# Altium PCB PCB2.PcbDoc (part 3 of 16)
Units mil, origin at the board's own origin, x right, y up, seen from the top; angles counter-clockwise.
Board outline 9200.79 x 4350.6 mil, 4 copper layers (Top Layer, Layer 1, Layer 2, Bottom Layer), stack 23.756 mil thick; 1249 components, 1355 nets, 4549 pads, 1316 vias.
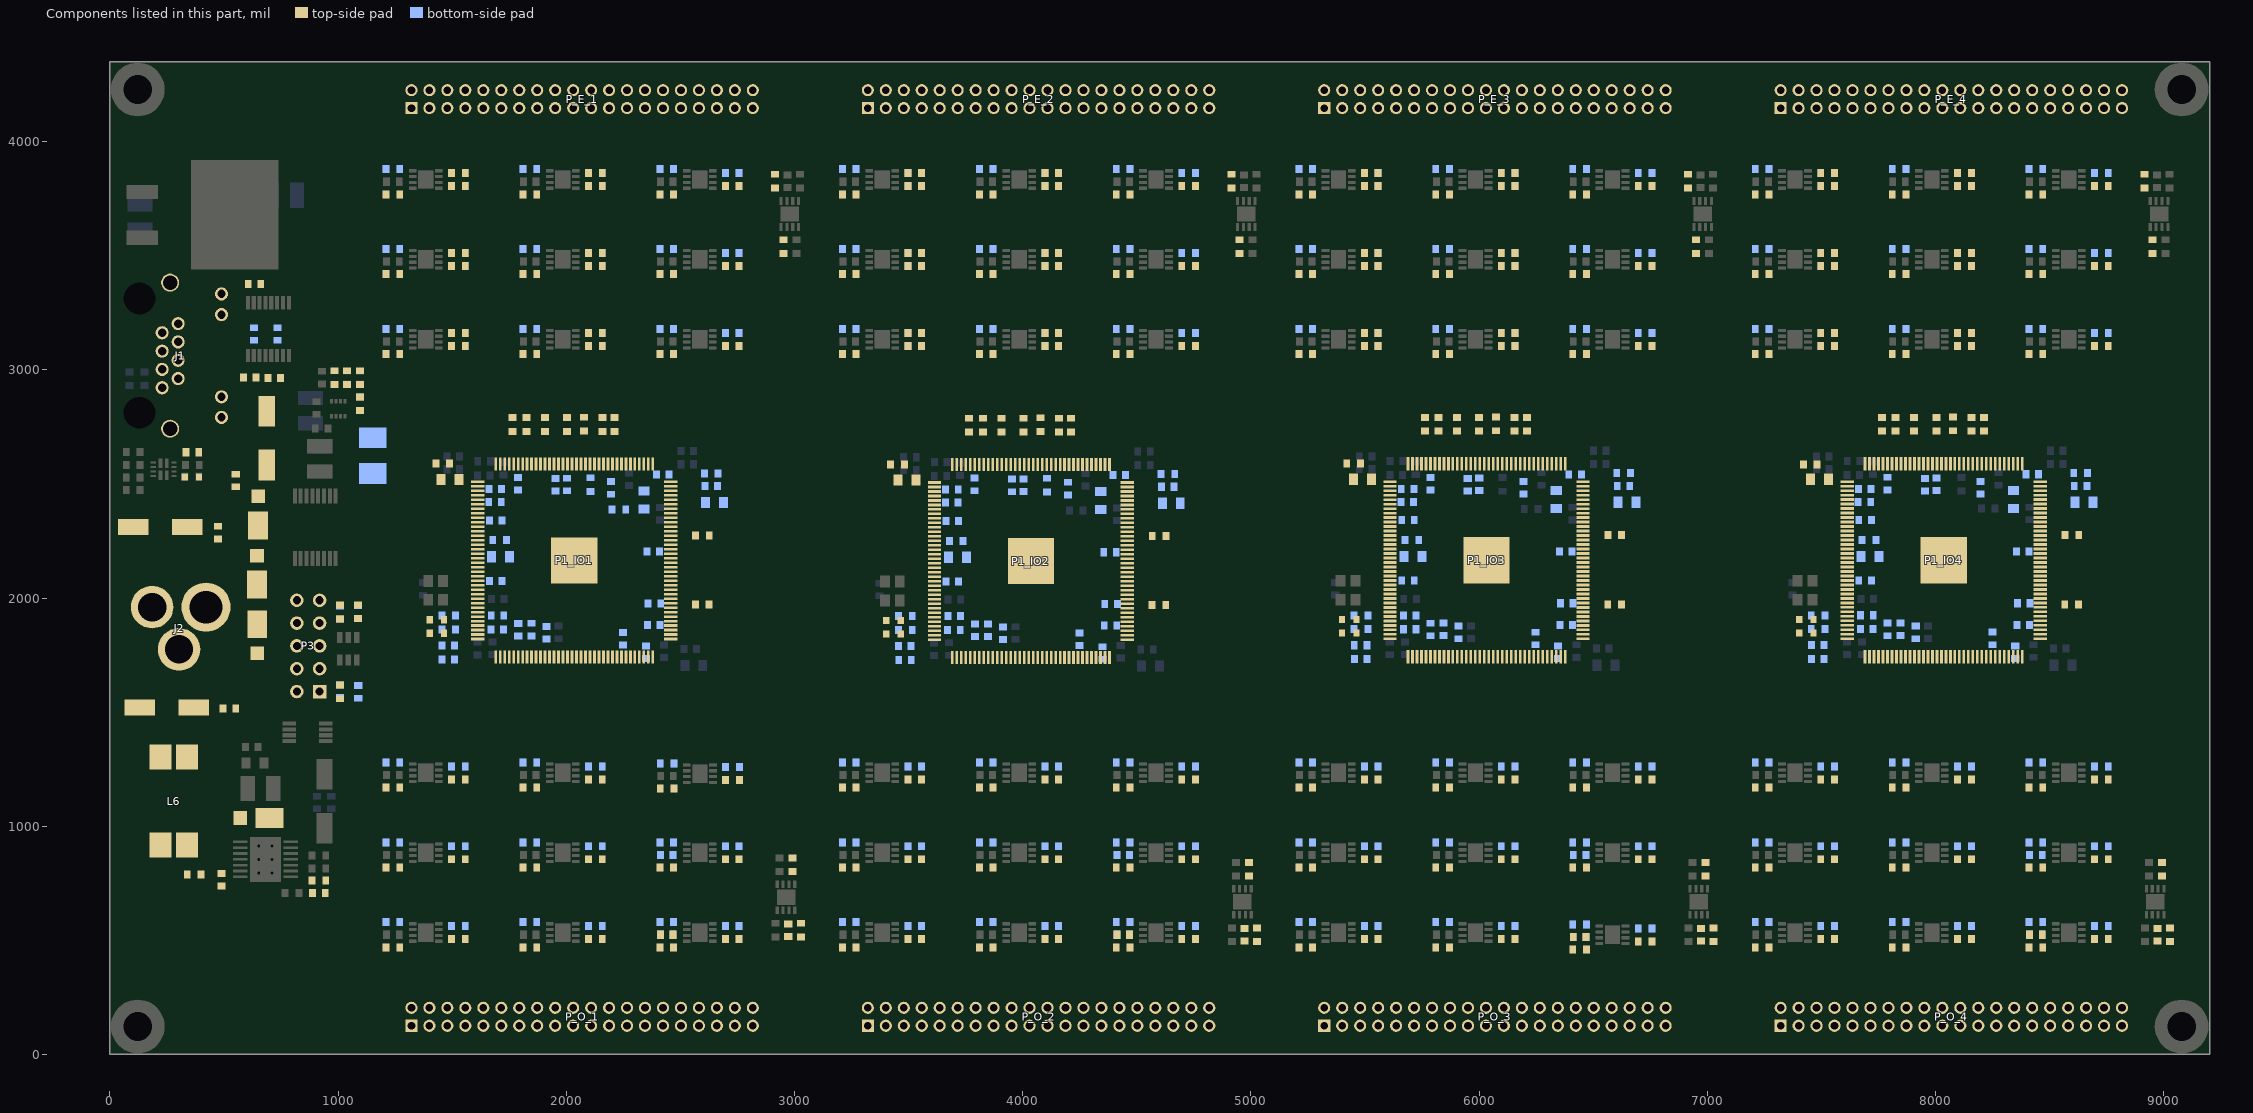
[diagram p5: the components of this part, seen from the top]

## Components (designator, comment, footprint, x,y, rotation, side; value= is the part's Value field where it differs from the comment) (continued)
C34_U_VoltageAmplifier351 "0.1uF/50V" 0603C 2440.09,874.18 r180 bottom (schematic designator C34)
C34_U_VoltageAmplifier352 "0.1uF/50V" 0603C 4440.09,874.18 r180 bottom (schematic designator C34)
C34_U_VoltageAmplifier353 "0.1uF/50V" 0603C 6440.09,874.18 r180 bottom (schematic designator C34)
C34_U_VoltageAmplifier354 "0.1uF/50V" 0603C 8440.09,874.18 r180 bottom (schematic designator C34)
C34_U_VoltageAmplifier361 "0.1uF/50V" 0603C 2440.09,524.18 r180 top (schematic designator C34)
C34_U_VoltageAmplifier362 "0.1uF/50V" 0603C 4440.09,524.18 r180 top (schematic designator C34)
C34_U_VoltageAmplifier363 "0.1uF/50V" 0603C 6440.09,514.18 r180 top (schematic designator C34)
C34_U_VoltageAmplifier364 "0.1uF/50V" 0603C 8440.09,524.18 r180 top (schematic designator C34)
C34_U_VoltageAmplifier371 "0.1uF/50V" 0603C 2440.09,524.18 r180 bottom (schematic designator C34)
C34_U_VoltageAmplifier372 "0.1uF/50V" 0603C 4440.09,524.18 r180 bottom (schematic designator C34)
C34_U_VoltageAmplifier373 "0.1uF/50V" 0603C 6440.09,514.18 r180 bottom (schematic designator C34)
C34_U_VoltageAmplifier374 "0.1uF/50V" 0603C 8440.09,524.18 r180 bottom (schematic designator C34)
C34_U_VoltageAmplifier381 "0.1uF/50V" 0603C 2972.67,544.42 r270 top (schematic designator C34)
C34_U_VoltageAmplifier382 "0.1uF/50V" 0603C 4972.67,524.42 r270 top (schematic designator C34)
C34_U_VoltageAmplifier383 "0.1uF/50V" 0603C 6972.67,524.42 r270 top (schematic designator C34)
C34_U_VoltageAmplifier384 "0.1uF/50V" 0603C 8972.67,524.42 r270 top (schematic designator C34)
C35 "0.047uF/50V" 0603C 915.76,706.99 r180 top
C36 "10pF/50V" 0603C 1087.06,1938.39 r270 bottom
C37 "10pF/50V" 0603C 1088.06,1588.49 r90 bottom
C38 "10pF/50V" 0603C 1008.46,1936.25 r270 bottom
C39 "10pF/50V" 0603C 1008.36,1590.93 r90 bottom
C40 "0.1uF/50V" 0603C 612.46,2966.69 r180 top
C41 "0.1uF/50V" 0603C 631.26,3157.09 r270 bottom
C42 "0.1uF/50V" 0603C 633.56,3375.49 r180 top
C43 "0.1uF/50V" 0603C 719.52,2964.89 r180 top
C44 "0.1uF/50V" 0603C 733.66,3157.09 r270 bottom
C45_POWER1 "0.1uF/16V" 0603C 2383.46,1881.29 r180 bottom (schematic designator C45)
C45_POWER2 "0.1uF/16V" 0603C 4384.56,1878.69 r180 bottom (schematic designator C45)
C45_POWER3 "0.1uF/16V" 0603C 6381.46,1882.14 r180 bottom (schematic designator C45)
C45_POWER4 "0.1uF/16V" 0603C 8384.46,1882.29 r180 bottom (schematic designator C45)
C46_POWER1 "10uF/25V" 0805C 1490.83,2519.29 r0 top (schematic designator C46)
C46_POWER2 "10uF/25V" 0805C 3491.93,2516.69 r0 top (schematic designator C46)
C46_POWER3 "10uF/25V" 0805C 5488.83,2520.14 r0 top (schematic designator C46)
C46_POWER4 "10uF/25V" 0805C 7491.83,2520.29 r0 top (schematic designator C46)
C47_POWER1 "0.47uF/16V" 0603C 2422.46,2541.29 r0 bottom (schematic designator C47)
C47_POWER2 "0.47uF/16V" 0603C 4423.56,2538.69 r0 bottom (schematic designator C47)
C47_POWER3 "0.47uF/16V" 0603C 6420.46,2542.14 r0 bottom (schematic designator C47)
C47_POWER4 "0.47uF/16V" 0603C 8423.46,2542.29 r0 bottom (schematic designator C47)
C48_POWER1 "0.1uF/16V" 0603C 1482.46,1792.29 r180 bottom (schematic designator C48)
C48_POWER2 "0.1uF/16V" 0603C 3483.56,1789.69 r180 bottom (schematic designator C48)
C48_POWER3 "0.1uF/16V" 0603C 5480.46,1793.14 r180 bottom (schematic designator C48)
C48_POWER4 "0.1uF/16V" 0603C 7483.46,1793.29 r180 bottom (schematic designator C48)
C49_POWER1 "0.1uF/16V" 0603C 1687.46,2420.29 r0 bottom (schematic designator C49)
C49_POWER2 "0.1uF/16V" 0603C 3688.56,2417.69 r0 bottom (schematic designator C49)
C49_POWER3 "0.1uF/16V" 0603C 5685.46,2421.14 r0 bottom (schematic designator C49)
C49_POWER4 "0.1uF/16V" 0603C 7688.46,2421.29 r0 bottom (schematic designator C49)
C51_POWER1 "0.1uF/16V" 0603C 1688.46,2477.29 r0 bottom (schematic designator C51)
C51_POWER2 "0.1uF/16V" 0603C 3689.56,2474.69 r0 bottom (schematic designator C51)
C51_POWER3 "0.1uF/16V" 0603C 5686.46,2478.14 r0 bottom (schematic designator C51)
C51_POWER4 "0.1uF/16V" 0603C 7689.46,2478.29 r0 bottom (schematic designator C51)
C52_POWER1 "0.1uF/16V" 0603C 1698.46,1923.29 r0 bottom (schematic designator C52)
C52_POWER2 "0.1uF/16V" 0603C 3699.56,1920.69 r0 bottom (schematic designator C52)
C52_POWER3 "0.1uF/16V" 0603C 5696.46,1924.14 r0 bottom (schematic designator C52)
C52_POWER4 "0.1uF/16V" 0603C 7699.46,1924.29 r0 bottom (schematic designator C52)
C53_POWER1 "0.01uF/16V" 0603C 1697.46,1862.29 r0 bottom (schematic designator C53)
C53_POWER2 "0.01uF/16V" 0603C 3698.56,1859.69 r0 bottom (schematic designator C53)
C53_POWER3 "0.01uF/16V" 0603C 5695.46,1863.14 r0 bottom (schematic designator C53)
C53_POWER4 "0.01uF/16V" 0603C 7698.46,1863.29 r0 bottom (schematic designator C53)
C54_POWER1 "0.47uF/16V" 0603C 2348.46,1761.73 r270 bottom (schematic designator C54)
C54_POWER2 "0.47uF/16V" 0603C 4349.56,1759.13 r270 bottom (schematic designator C54)
C54_POWER3 "0.47uF/16V" 0603C 6346.46,1762.58 r270 bottom (schematic designator C54)
C54_POWER4 "0.47uF/16V" 0603C 8349.46,1762.73 r270 bottom (schematic designator C54)
C55_POWER1 "10uF/25V" 0805C 2340.46,2430.29 r90 bottom (schematic designator C55)
C55_POWER2 "10uF/25V" 0805C 4341.56,2427.69 r90 bottom (schematic designator C55)
C55_POWER3 "10uF/25V" 0805C 6338.46,2431.14 r90 bottom (schematic designator C55)
C55_POWER4 "10uF/25V" 0805C 8341.46,2431.29 r90 bottom (schematic designator C55)
C56_POWER1 "22uF/10V" 0603C 1482.9,1731.29 r0 bottom (schematic designator C56)
C56_POWER2 "22uF/10V" 0603C 3484,1728.69 r0 bottom (schematic designator C56)
C56_POWER3 "22uF/10V" 0603C 5480.9,1732.14 r0 bottom (schematic designator C56)
C56_POWER4 "22uF/10V" 0603C 7483.9,1732.29 r0 bottom (schematic designator C56)
C57_POWER1 "0.1uF/16V" 0603C 1912.46,1848.29 r90 bottom (schematic designator C57)
C57_POWER2 "0.1uF/16V" 0603C 3913.56,1845.69 r90 bottom (schematic designator C57)
C57_POWER3 "0.1uF/16V" 0603C 5910.46,1849.14 r90 bottom (schematic designator C57)
C57_POWER4 "0.1uF/16V" 0603C 7913.46,1849.29 r90 bottom (schematic designator C57)
C58_POWER1 "0.1uF/16V" 0603C 1789.46,1861.29 r90 bottom (schematic designator C58)
C58_POWER2 "0.1uF/16V" 0603C 3790.56,1858.69 r90 bottom (schematic designator C58)
C58_POWER3 "0.1uF/16V" 0603C 5787.46,1862.14 r90 bottom (schematic designator C58)
C58_POWER4 "0.1uF/16V" 0603C 7790.46,1862.29 r90 bottom (schematic designator C58)
C59_POWER1 "0.1uF/16V" 0603C 1690.46,2075.29 r0 bottom (schematic designator C59)
C59_POWER2 "0.1uF/16V" 0603C 3691.56,2072.69 r0 bottom (schematic designator C59)
C59_POWER3 "0.1uF/16V" 0603C 5688.46,2076.14 r0 bottom (schematic designator C59)
C59_POWER4 "0.1uF/16V" 0603C 7691.46,2076.29 r0 bottom (schematic designator C59)
C60_POWER1 "0.1uF/16V" 0603C 1690.46,2340.29 r0 bottom (schematic designator C60)
C60_POWER2 "0.1uF/16V" 0603C 3691.56,2337.69 r0 bottom (schematic designator C60)
C60_POWER3 "0.1uF/16V" 0603C 5688.46,2341.14 r0 bottom (schematic designator C60)
C60_POWER4 "0.1uF/16V" 0603C 7691.46,2341.29 r0 bottom (schematic designator C60)
C61_POWER1 "0.1uF/16V" 0603C 1788.46,2500.29 r270 bottom (schematic designator C61)
C61_POWER2 "0.1uF/16V" 0603C 3789.56,2497.69 r270 bottom (schematic designator C61)
C61_POWER3 "0.1uF/16V" 0603C 5786.46,2501.14 r270 bottom (schematic designator C61)
C61_POWER4 "0.1uF/16V" 0603C 7789.46,2501.29 r270 bottom (schematic designator C61)
C62_POWER1 "0.1uF/16V" 0603C 2002.46,2497.29 r270 bottom (schematic designator C62)
C62_POWER2 "0.1uF/16V" 0603C 4003.56,2494.69 r270 bottom (schematic designator C62)
C62_POWER3 "0.1uF/16V" 0603C 6000.46,2498.14 r270 bottom (schematic designator C62)
C62_POWER4 "0.1uF/16V" 0603C 8003.46,2498.29 r270 bottom (schematic designator C62)
C63 "0.047uF/50V" 0603C 489.76,764.99 r90 top
C64_POWER1 "0.1uF/16V" 0603C 2196.46,2482.29 r270 bottom (schematic designator C64)
C64_POWER2 "0.1uF/16V" 0603C 4197.56,2479.69 r270 bottom (schematic designator C64)
C64_POWER3 "0.1uF/16V" 0603C 6194.46,2483.14 r270 bottom (schematic designator C64)
C64_POWER4 "0.1uF/16V" 0603C 8197.46,2483.29 r270 bottom (schematic designator C64)
C65_POWER1 "0.1uF/16V" 0603C 2385.96,1976.2 r180 bottom (schematic designator C65)
C65_POWER2 "0.1uF/16V" 0603C 4387.06,1973.6 r180 bottom (schematic designator C65)
C65_POWER3 "0.1uF/16V" 0603C 6383.96,1977.05 r180 bottom (schematic designator C65)
C65_POWER4 "0.1uF/16V" 0603C 8386.96,1977.2 r180 bottom (schematic designator C65)
C66_POWER1 "0.1uF/16V" 0603C 2248.46,1821.73 r90 bottom (schematic designator C66)
C66_POWER2 "0.1uF/16V" 0603C 4249.56,1819.13 r90 bottom (schematic designator C66)
C66_POWER3 "0.1uF/16V" 0603C 6246.46,1822.58 r90 bottom (schematic designator C66)
C66_POWER4 "0.1uF/16V" 0603C 8249.46,1822.73 r90 bottom (schematic designator C66)
C67_POWER1 "0.1uF/16V" 0603C 2381.46,2203.29 r180 bottom (schematic designator C67)
C67_POWER2 "0.1uF/16V" 0603C 4382.56,2200.69 r180 bottom (schematic designator C67)
C67_POWER3 "0.1uF/16V" 0603C 6379.46,2204.14 r180 bottom (schematic designator C67)
C67_POWER4 "0.1uF/16V" 0603C 8382.46,2204.29 r180 bottom (schematic designator C67)
C68_POWER1 "0.47uF/16V" 0603C 1846.46,1861.73 r90 bottom (schematic designator C68)
C68_POWER2 "0.47uF/16V" 0603C 3847.56,1859.13 r90 bottom (schematic designator C68)
C68_POWER3 "0.47uF/16V" 0603C 5844.46,1862.58 r90 bottom (schematic designator C68)
C68_POWER4 "0.47uF/16V" 0603C 7847.46,1862.73 r90 bottom (schematic designator C68)
C69_POWER1 "10uF/25V" 0805C 1712.46,2181.29 r0 bottom (schematic designator C69)
C69_POWER2 "10uF/25V" 0805C 3713.56,2178.69 r0 bottom (schematic designator C69)
C69_POWER3 "10uF/25V" 0805C 5710.46,2182.14 r0 bottom (schematic designator C69)
C69_POWER4 "10uF/25V" 0805C 7713.46,2182.29 r0 bottom (schematic designator C69)
C70_POWER1 "10uF/25V" 0805C 2649.83,2418.29 r180 bottom (schematic designator C70)
C70_POWER2 "10uF/25V" 0805C 4650.93,2415.69 r180 bottom (schematic designator C70)
C70_POWER3 "10uF/25V" 0805C 6647.83,2419.14 r180 bottom (schematic designator C70)
C70_POWER4 "10uF/25V" 0805C 8650.83,2419.29 r180 bottom (schematic designator C70)
C71_POWER1 "22uF/10V" 0603C 1952.12,2495.87 r90 bottom (schematic designator C71)
C71_POWER2 "22uF/10V" 0603C 3953.22,2493.27 r90 bottom (schematic designator C71)
C71_POWER3 "22uF/10V" 0603C 5950.12,2496.72 r90 bottom (schematic designator C71)
C71_POWER4 "22uF/10V" 0603C 7953.12,2496.87 r90 bottom (schematic designator C71)
C72_POWER1 "22uF/10V" 0603C 2634.83,2490.29 r180 bottom (schematic designator C72)
C72_POWER2 "22uF/10V" 0603C 4635.93,2487.69 r180 bottom (schematic designator C72)
C72_POWER3 "22uF/10V" 0603C 6632.83,2491.14 r180 bottom (schematic designator C72)
C72_POWER4 "22uF/10V" 0603C 8635.83,2491.29 r180 bottom (schematic designator C72)
C73 "10uF/63V" EEE-FN1J100L 248.96,1519.89 r180 top
C74 "2.2uF/50V" 0603C 523.5,1515.49 r180 top
C75 "2.2uF/50V" 0603C 473.06,2286.69 r90 top
C76 "10uF/63V" EEE-FN1J100L 220.06,2311.69 r180 top
C77 "2.2uF/50V" 0603C 361.6,2638.89 r180 top
C78 "2.2uF/50V" 0603C 551.16,2514.99 r270 top
C79 "10uF/63V" EEE-FN1J100L 687.46,2700.89 r90 top
D1_IO1 "LEDR" LED_0603 1432.76,1904.49 r180 top value=RED (schematic designator D1)
D1_IO2 "LEDR" LED_0603 3433.86,1901.89 r180 top value=RED (schematic designator D1)
D1_IO3 "LEDR" LED_0603 5430.76,1905.34 r180 top value=RED (schematic designator D1)
D1_IO4 "LEDR" LED_0603 7433.76,1905.49 r180 top value=RED (schematic designator D1)
D2_IO1 "LEDR" LED_0603 1432.76,1845.19 r180 top value=RED (schematic designator D2)
D2_IO2 "LEDR" LED_0603 3433.86,1842.59 r180 top value=RED (schematic designator D2)
D2_IO3 "LEDR" LED_0603 5430.76,1846.04 r180 top value=RED (schematic designator D2)
D2_IO4 "LEDR" LED_0603 7433.76,1846.19 r180 top value=RED (schematic designator D2)
D3 "LEDR" LED_0603 358.98,2529.73 r180 top value=RED
D4 "V8PAM10S-M3_H" V8PAM10SHM3H 649.36,2361.59 r90 top
D5 "V8PAM10S-M3_H" V8PAM10SHM3H 644.76,2101.76 r90 top
D6 "V8PAM10S-M3_H" V8PAM10SHM3H 645.26,1842.15 r270 top
D7 "V8PAM10S-M3_H" V8PAM10SHM3H 655.45,1035.99 r180 top
J1 "RJHSE-5381" RJHSE5381 223.76,3059.17 r270 top locked
J2 "PJ-002BH" PJ002BH 420.97,1960.13 r180 top
L1_POWER1 "100R,1A" 0603L 1458.22,2588.83 r180 top value=100R/1A (schematic designator L1)
L1_POWER2 "100R,1A" 0603L 3451.26,2585.59 r180 top value=100R/1A (schematic designator L1)
L1_POWER3 "100R,1A" 0603L 5449.64,2590.04 r180 top value=100R/1A (schematic designator L1)
L1_POWER4 "100R,1A" 0603L 7451.26,2585.59 r180 top value=100R/1A (schematic designator L1)
L3_POWER1 "100R,1A" 0603L 2634.83,2546.19 r0 bottom value=100R/1A (schematic designator L3)
L3_POWER2 "100R,1A" 0603L 4635.93,2543.59 r0 bottom value=100R/1A (schematic designator L3)
L3_POWER3 "100R,1A" 0603L 6632.83,2547.04 r0 bottom value=100R/1A (schematic designator L3)
L3_POWER4 "100R,1A" 0603L 8635.83,2547.19 r0 bottom value=100R/1A (schematic designator L3)
L4 "2.2uH" IHLP1616BZER2R2M5A 1151.26,2703.07 r270 bottom
L6 "22uH" CDRH124NP-220MC 279.76,1109.99 r0 top
P1_IO1 "10M04SC E144" 10M04SCE144C8G 2034.73,2164.53 r0 top (schematic designator P1)
P1_IO2 "10M04SC E144" 10M04SCE144C8G 4035.83,2161.93 r0 top (schematic designator P1)
P1_IO3 "10M04SC E144" 10M04SCE144C8G 6032.73,2165.38 r0 top (schematic designator P1)
P1_IO4 "10M04SC E144" 10M04SCE144C8G 8035.73,2165.53 r0 top locked (schematic designator P1)
P3 "JTAG" HDR2X5 918.86,1590.09 r90 top
P_E_1 "Header 20X2" HDR2X20 1321.26,4146.85 r0 top locked value=40
P_E_2 "Header 20X2" HDR2X20 3321.26,4146.85 r0 top locked value=40
P_E_3 "Header 20X2" HDR2X20 5321.26,4146.85 r0 top locked value=40
P_E_4 "Header 20X2" HDR2X20 7321.26,4146.85 r0 top locked value=40
P_O_1 "Header 20X2" HDR2X20 1321.26,125.59 r0 top value=40
P_O_2 "Header 20X2" HDR2X20 3321.26,125.59 r0 top locked value=40
P_O_3 "Header 20X2" HDR2X20 5321.26,125.59 r0 top locked value=40
P_O_4 "Header 20X2" HDR2X20 7321.26,125.59 r0 top locked value=40
R1_IO1 "10K" 0603R 1707.46,2253.29 r0 bottom (schematic designator R1)
R1_IO2 "10K" 0603R 3708.56,2250.69 r0 bottom (schematic designator R1)
R1_IO3 "10K" 0603R 5705.46,2254.14 r0 bottom (schematic designator R1)
R1_IO4 "10K" 0603R 7708.46,2254.29 r0 bottom (schematic designator R1)
R2_IO1 "10K" 0603R 1764.46,2760.29 r90 top (schematic designator R2)
R2_IO2 "10K" 0603R 3765.56,2757.69 r90 top (schematic designator R2)
R2_IO3 "10K" 0603R 5762.46,2761.14 r90 top (schematic designator R2)
R2_IO4 "10K" 0603R 7765.46,2761.29 r90 top (schematic designator R2)
R3_IO1 "10K" 0603R 1824.46,2760.29 r90 top (schematic designator R3)
R3_IO2 "10K" 0603R 3825.56,2757.69 r90 top (schematic designator R3)
R3_IO3 "10K" 0603R 5822.46,2761.14 r90 top (schematic designator R3)
R3_IO4 "10K" 0603R 7825.46,2761.29 r90 top (schematic designator R3)
R4_IO1 "10K" 0603R 1905.46,2760.29 r90 top (schematic designator R4)
R4_IO2 "10K" 0603R 3906.56,2757.69 r90 top (schematic designator R4)
R4_IO3 "10K" 0603R 5903.46,2761.14 r90 top (schematic designator R4)
R4_IO4 "10K" 0603R 7906.46,2761.29 r90 top (schematic designator R4)
R5_IO1 "10K" 0603R 2002.46,2760.29 r90 top (schematic designator R5)
R5_IO2 "10K" 0603R 4003.56,2757.69 r90 top (schematic designator R5)
R5_IO3 "10K" 0603R 6000.46,2761.14 r90 top (schematic designator R5)
R5_IO4 "10K" 0603R 8003.46,2761.29 r90 top (schematic designator R5)
R6_IO1 "10K" 0603R 2157.46,2760.29 r90 top (schematic designator R6)
R6_IO2 "10K" 0603R 4158.56,2757.69 r90 top (schematic designator R6)
R6_IO3 "10K" 0603R 6155.46,2761.14 r90 top (schematic designator R6)
R6_IO4 "10K" 0603R 8158.46,2761.29 r90 top (schematic designator R6)
R7_IO1 "10K" 0603R 2211.46,2760.29 r90 top (schematic designator R7)
R7_IO2 "10K" 0603R 4212.56,2757.69 r90 top (schematic designator R7)
R7_IO3 "10K" 0603R 6209.46,2761.14 r90 top (schematic designator R7)
R7_IO4 "10K" 0603R 8212.46,2761.29 r90 top (schematic designator R7)
R8_IO1 "220R" 0603R 1484.46,1923.29 r180 bottom (schematic designator R8)
R8_IO2 "220R" 0603R 3485.56,1920.69 r180 bottom (schematic designator R8)
R8_IO3 "220R" 0603R 5482.46,1924.14 r180 bottom (schematic designator R8)
R8_IO4 "220R" 0603R 7485.46,1924.29 r180 bottom (schematic designator R8)
R9 "50.5K" 0603R 915.76,761.32 r180 top
R10 "10K" 0603R 1008.36,1588.49 r270 top
R11 "10K" 0603R 1008.46,1938.69 r90 top
R12 "1K" 0603R 1087.86,1940.09 r90 top
R13_IO1 "1K" 0603R 2076.46,2762.29 r90 top (schematic designator R13)
R13_IO2 "1K" 0603R 4077.56,2759.69 r90 top (schematic designator R13)
R13_IO3 "1K" 0603R 6074.46,2763.14 r90 top (schematic designator R13)
R13_IO4 "1K" 0603R 8077.46,2763.29 r90 top (schematic designator R13)
R14_IO1 "4.7K" 0603R 2596.46,2274.29 r180 top (schematic designator R14)
R14_IO2 "4.7K" 0603R 4597.56,2271.69 r180 top (schematic designator R14)
R14_IO3 "4.7K" 0603R 6594.46,2275.14 r180 top (schematic designator R14)
R14_IO4 "4.7K" 0603R 8597.46,2275.29 r180 top (schematic designator R14)
R15 "604K" 0603R 984.15,2965.99 r270 top
R16 "20R" 0603R 1039.26,2965.99 r270 top
R17 "10K" 0603R 1095.06,2851.39 r90 top
R18 "40.2K" 0603R 1095.16,2965.69 r270 top
R19 "7.68K" 0603R 1095.06,2851.39 r90 bottom
R20_IO1 "4.7K" 0603R 2595.46,1971.29 r180 top (schematic designator R20)
R20_IO2 "4.7K" 0603R 4596.56,1968.69 r180 top (schematic designator R20)
R20_IO3 "4.7K" 0603R 6593.46,1972.14 r180 top (schematic designator R20)
R20_IO4 "4.7K" 0603R 8596.46,1972.29 r180 top (schematic designator R20)
R21_IO1 "220R" 0603R 1484.46,1862.29 r180 bottom (schematic designator R21)
R21_IO2 "220R" 0603R 3485.56,1859.69 r180 bottom (schematic designator R21)
R21_IO3 "220R" 0603R 5482.46,1863.14 r180 bottom (schematic designator R21)
R21_IO4 "220R" 0603R 7485.46,1863.29 r180 bottom (schematic designator R21)
R22 "10K" 0603R 368.76,788.99 r180 top
R23 "10K" 0603R 2106.76,2497.29 r90 bottom
R24 "10K" 0603R 2230.26,2388.39 r0 bottom
R25 "10K" 0603R 4105.46,2494.69 r90 bottom
R26_U_VoltageAmplifier11 "1K" 0603R 1527.09,3105.18 r0 top (schematic designator R26)
R26_U_VoltageAmplifier12 "1K" 0603R 3527.09,3105.18 r0 top (schematic designator R26)
R26_U_VoltageAmplifier13 "1K" 0603R 5527.09,3105.18 r0 top (schematic designator R26)
R26_U_VoltageAmplifier14 "1K" 0603R 7527.09,3105.18 r0 top (schematic designator R26)
R26_U_VoltageAmplifier21 "1K" 0603R 1527.09,3162.18 r0 bottom (schematic designator R26)
R26_U_VoltageAmplifier22 "1K" 0603R 3527.09,3162.18 r0 bottom (schematic designator R26)
R26_U_VoltageAmplifier23 "1K" 0603R 5527.09,3162.18 r0 bottom (schematic designator R26)
R26_U_VoltageAmplifier24 "1K" 0603R 7527.09,3162.18 r0 bottom (schematic designator R26)
R26_U_VoltageAmplifier31 "1K" 0603R 1527.09,3455.18 r0 top (schematic designator R26)
R26_U_VoltageAmplifier32 "1K" 0603R 3527.09,3455.18 r0 top (schematic designator R26)
R26_U_VoltageAmplifier33 "1K" 0603R 5527.09,3455.18 r0 top (schematic designator R26)
R26_U_VoltageAmplifier34 "1K" 0603R 7527.09,3455.18 r0 top (schematic designator R26)
R26_U_VoltageAmplifier41 "1K" 0603R 1527.09,3512.18 r0 bottom (schematic designator R26)
R26_U_VoltageAmplifier42 "1K" 0603R 3527.09,3512.18 r0 bottom (schematic designator R26)
R26_U_VoltageAmplifier43 "1K" 0603R 5527.09,3512.18 r0 bottom (schematic designator R26)
R26_U_VoltageAmplifier44 "1K" 0603R 7527.09,3512.18 r0 bottom (schematic designator R26)
R26_U_VoltageAmplifier51 "1K" 0603R 1527.09,3805.18 r0 top (schematic designator R26)
R26_U_VoltageAmplifier52 "1K" 0603R 3527.09,3805.18 r0 top (schematic designator R26)
R26_U_VoltageAmplifier53 "1K" 0603R 5527.09,3805.18 r0 top (schematic designator R26)
R26_U_VoltageAmplifier54 "1K" 0603R 7527.09,3805.18 r0 top (schematic designator R26)
R26_U_VoltageAmplifier61 "1K" 0603R 1527.09,3862.18 r0 bottom (schematic designator R26)
R26_U_VoltageAmplifier62 "1K" 0603R 3527.09,3862.18 r0 bottom (schematic designator R26)
R26_U_VoltageAmplifier63 "1K" 0603R 5527.09,3862.18 r0 bottom (schematic designator R26)
R26_U_VoltageAmplifier64 "1K" 0603R 7527.09,3862.18 r0 bottom (schematic designator R26)
R26_U_VoltageAmplifier71 "1K" 0603R 2127.09,3105.18 r0 top (schematic designator R26)
R26_U_VoltageAmplifier72 "1K" 0603R 4127.09,3105.18 r0 top (schematic designator R26)
R26_U_VoltageAmplifier73 "1K" 0603R 6127.09,3105.18 r0 top (schematic designator R26)
R26_U_VoltageAmplifier74 "1K" 0603R 8127.09,3105.18 r0 top (schematic designator R26)
R26_U_VoltageAmplifier81 "1K" 0603R 2127.09,3162.18 r0 bottom (schematic designator R26)
R26_U_VoltageAmplifier82 "1K" 0603R 4127.09,3162.18 r0 bottom (schematic designator R26)
R26_U_VoltageAmplifier83 "1K" 0603R 6127.09,3162.18 r0 bottom (schematic designator R26)
R26_U_VoltageAmplifier84 "1K" 0603R 8127.09,3162.18 r0 bottom (schematic designator R26)
R26_U_VoltageAmplifier91 "1K" 0603R 2127.09,3455.18 r0 top (schematic designator R26)
R26_U_VoltageAmplifier92 "1K" 0603R 4127.09,3455.18 r0 top (schematic designator R26)
R26_U_VoltageAmplifier93 "1K" 0603R 6127.09,3455.18 r0 top (schematic designator R26)
R26_U_VoltageAmplifier94 "1K" 0603R 8127.09,3455.18 r0 top (schematic designator R26)
R26_U_VoltageAmplifier101 "1K" 0603R 2127.09,3512.18 r0 bottom (schematic designator R26)
R26_U_VoltageAmplifier102 "1K" 0603R 4127.09,3512.18 r0 bottom (schematic designator R26)
R26_U_VoltageAmplifier103 "1K" 0603R 6127.09,3512.18 r0 bottom (schematic designator R26)
R26_U_VoltageAmplifier104 "1K" 0603R 8127.09,3512.18 r0 bottom (schematic designator R26)
R26_U_VoltageAmplifier111 "1K" 0603R 2127.09,3805.18 r0 top (schematic designator R26)
R26_U_VoltageAmplifier112 "1K" 0603R 4127.09,3805.18 r0 top (schematic designator R26)
R26_U_VoltageAmplifier113 "1K" 0603R 6127.09,3805.18 r0 top (schematic designator R26)
R26_U_VoltageAmplifier114 "1K" 0603R 8127.09,3805.18 r0 top (schematic designator R26)
R26_U_VoltageAmplifier121 "1K" 0603R 2127.09,3862.18 r0 bottom (schematic designator R26)
R26_U_VoltageAmplifier122 "1K" 0603R 4127.09,3862.18 r0 bottom (schematic designator R26)
R26_U_VoltageAmplifier123 "1K" 0603R 6127.09,3862.18 r0 bottom (schematic designator R26)
R26_U_VoltageAmplifier124 "1K" 0603R 8127.09,3862.18 r0 bottom (schematic designator R26)
R26_U_VoltageAmplifier131 "1K" 0603R 2727.09,3105.18 r0 top (schematic designator R26)
R26_U_VoltageAmplifier132 "1K" 0603R 4727.09,3105.18 r0 top (schematic designator R26)
R26_U_VoltageAmplifier133 "1K" 0603R 6727.09,3105.18 r0 top (schematic designator R26)
R26_U_VoltageAmplifier134 "1K" 0603R 8727.09,3105.18 r0 top (schematic designator R26)
R26_U_VoltageAmplifier141 "1K" 0603R 2727.09,3162.18 r0 bottom (schematic designator R26)
R26_U_VoltageAmplifier142 "1K" 0603R 4727.09,3162.18 r0 bottom (schematic designator R26)
R26_U_VoltageAmplifier143 "1K" 0603R 6727.09,3162.18 r0 bottom (schematic designator R26)
R26_U_VoltageAmplifier144 "1K" 0603R 8727.09,3162.18 r0 bottom (schematic designator R26)
R26_U_VoltageAmplifier151 "1K" 0603R 2727.09,3455.18 r0 top (schematic designator R26)
R26_U_VoltageAmplifier152 "1K" 0603R 4727.09,3455.18 r0 top (schematic designator R26)
R26_U_VoltageAmplifier153 "1K" 0603R 6727.09,3455.18 r0 top (schematic designator R26)
R26_U_VoltageAmplifier154 "1K" 0603R 8727.09,3455.18 r0 top (schematic designator R26)
R26_U_VoltageAmplifier161 "1K" 0603R 2727.09,3512.18 r0 bottom (schematic designator R26)
R26_U_VoltageAmplifier162 "1K" 0603R 4727.09,3512.18 r0 bottom (schematic designator R26)
R26_U_VoltageAmplifier163 "1K" 0603R 6727.09,3512.18 r0 bottom (schematic designator R26)
R26_U_VoltageAmplifier164 "1K" 0603R 8727.09,3512.18 r0 bottom (schematic designator R26)
R26_U_VoltageAmplifier171 "1K" 0603R 2727.09,3805.18 r0 top (schematic designator R26)
R26_U_VoltageAmplifier172 "1K" 0603R 4727.09,3805.18 r0 top (schematic designator R26)
R26_U_VoltageAmplifier173 "1K" 0603R 6727.09,3805.18 r0 top (schematic designator R26)
R26_U_VoltageAmplifier174 "1K" 0603R 8727.09,3805.18 r0 top (schematic designator R26)
R26_U_VoltageAmplifier181 "1K" 0603R 2727.09,3862.18 r0 bottom (schematic designator R26)
R26_U_VoltageAmplifier182 "1K" 0603R 4727.09,3862.18 r0 bottom (schematic designator R26)
R26_U_VoltageAmplifier183 "1K" 0603R 6727.09,3862.18 r0 bottom (schematic designator R26)
R26_U_VoltageAmplifier184 "1K" 0603R 8727.09,3862.18 r0 bottom (schematic designator R26)
R26_U_VoltageAmplifier191 "1K" 0603R 2950.85,3539.76 r270 top (schematic designator R26)
R26_U_VoltageAmplifier192 "1K" 0603R 4950.85,3539.76 r270 top (schematic designator R26)
R26_U_VoltageAmplifier193 "1K" 0603R 6950.85,3539.76 r270 top (schematic designator R26)
R26_U_VoltageAmplifier194 "1K" 0603R 8950.85,3539.76 r270 top (schematic designator R26)
R26_U_VoltageAmplifier201 "1K" 0603R 1527.09,1205.18 r0 top (schematic designator R26)
R26_U_VoltageAmplifier202 "1K" 0603R 3527.09,1205.18 r0 top (schematic designator R26)
R26_U_VoltageAmplifier203 "1K" 0603R 5527.09,1205.18 r0 top (schematic designator R26)
R26_U_VoltageAmplifier204 "1K" 0603R 7527.09,1205.18 r0 top (schematic designator R26)
R26_U_VoltageAmplifier211 "1K" 0603R 1527.09,1262.18 r0 bottom (schematic designator R26)
R26_U_VoltageAmplifier212 "1K" 0603R 3527.09,1262.18 r0 bottom (schematic designator R26)
R26_U_VoltageAmplifier213 "1K" 0603R 5527.09,1262.18 r0 bottom (schematic designator R26)
R26_U_VoltageAmplifier214 "1K" 0603R 7527.09,1262.18 r0 bottom (schematic designator R26)
R26_U_VoltageAmplifier221 "1K" 0603R 1527.09,855.18 r0 top (schematic designator R26)
R26_U_VoltageAmplifier222 "1K" 0603R 3527.09,855.18 r0 top (schematic designator R26)
R26_U_VoltageAmplifier223 "1K" 0603R 5527.09,855.18 r0 top (schematic designator R26)
R26_U_VoltageAmplifier224 "1K" 0603R 7527.09,855.18 r0 top (schematic designator R26)
R26_U_VoltageAmplifier231 "1K" 0603R 1527.09,912.18 r0 bottom (schematic designator R26)
R26_U_VoltageAmplifier232 "1K" 0603R 3527.09,912.18 r0 bottom (schematic designator R26)
R26_U_VoltageAmplifier233 "1K" 0603R 5527.09,912.18 r0 bottom (schematic designator R26)
R26_U_VoltageAmplifier234 "1K" 0603R 7527.09,912.18 r0 bottom (schematic designator R26)
R26_U_VoltageAmplifier241 "1K" 0603R 1527.09,505.18 r0 top (schematic designator R26)
R26_U_VoltageAmplifier242 "1K" 0603R 3527.09,505.18 r0 top (schematic designator R26)
R26_U_VoltageAmplifier243 "1K" 0603R 5527.09,505.18 r0 top (schematic designator R26)
R26_U_VoltageAmplifier244 "1K" 0603R 7527.09,505.18 r0 top (schematic designator R26)
R26_U_VoltageAmplifier251 "1K" 0603R 1527.09,562.18 r0 bottom (schematic designator R26)
R26_U_VoltageAmplifier252 "1K" 0603R 3527.09,562.18 r0 bottom (schematic designator R26)
R26_U_VoltageAmplifier253 "1K" 0603R 5527.09,562.18 r0 bottom (schematic designator R26)
R26_U_VoltageAmplifier254 "1K" 0603R 7527.09,562.18 r0 bottom (schematic designator R26)
R26_U_VoltageAmplifier261 "1K" 0603R 2127.09,1205.18 r0 top (schematic designator R26)
R26_U_VoltageAmplifier262 "1K" 0603R 4127.09,1205.18 r0 top (schematic designator R26)
R26_U_VoltageAmplifier263 "1K" 0603R 6127.09,1205.18 r0 top (schematic designator R26)
R26_U_VoltageAmplifier264 "1K" 0603R 8127.09,1205.18 r0 top (schematic designator R26)
R26_U_VoltageAmplifier271 "1K" 0603R 2127.09,1262.18 r0 bottom (schematic designator R26)
R26_U_VoltageAmplifier272 "1K" 0603R 4127.09,1262.18 r0 bottom (schematic designator R26)
R26_U_VoltageAmplifier273 "1K" 0603R 6127.09,1262.18 r0 bottom (schematic designator R26)
R26_U_VoltageAmplifier274 "1K" 0603R 8127.09,1262.18 r0 bottom (schematic designator R26)
R26_U_VoltageAmplifier281 "1K" 0603R 2127.09,855.18 r0 top (schematic designator R26)
R26_U_VoltageAmplifier282 "1K" 0603R 4127.09,855.18 r0 top (schematic designator R26)
R26_U_VoltageAmplifier283 "1K" 0603R 6127.09,855.18 r0 top (schematic designator R26)
R26_U_VoltageAmplifier284 "1K" 0603R 8127.09,855.18 r0 top (schematic designator R26)
R26_U_VoltageAmplifier291 "1K" 0603R 2127.09,912.18 r0 bottom (schematic designator R26)
R26_U_VoltageAmplifier292 "1K" 0603R 4127.09,912.18 r0 bottom (schematic designator R26)
R26_U_VoltageAmplifier293 "1K" 0603R 6127.09,912.18 r0 bottom (schematic designator R26)
R26_U_VoltageAmplifier294 "1K" 0603R 8127.09,912.18 r0 bottom (schematic designator R26)
R26_U_VoltageAmplifier301 "1K" 0603R 2127.09,505.18 r0 top (schematic designator R26)
R26_U_VoltageAmplifier302 "1K" 0603R 4127.09,505.18 r0 top (schematic designator R26)
R26_U_VoltageAmplifier303 "1K" 0603R 6127.09,505.18 r0 top (schematic designator R26)
R26_U_VoltageAmplifier304 "1K" 0603R 8127.09,505.18 r0 top (schematic designator R26)
R26_U_VoltageAmplifier311 "1K" 0603R 2127.09,562.18 r0 bottom (schematic designator R26)
R26_U_VoltageAmplifier312 "1K" 0603R 4127.09,562.18 r0 bottom (schematic designator R26)
R26_U_VoltageAmplifier313 "1K" 0603R 6127.09,562.18 r0 bottom (schematic designator R26)
R26_U_VoltageAmplifier314 "1K" 0603R 8127.09,562.18 r0 bottom (schematic designator R26)
R26_U_VoltageAmplifier321 "1K" 0603R 2728.26,1201.59 r0 top (schematic designator R26)
R26_U_VoltageAmplifier322 "1K" 0603R 4727.09,1205.18 r0 top (schematic designator R26)
R26_U_VoltageAmplifier323 "1K" 0603R 6727.09,1205.18 r0 top (schematic designator R26)
R26_U_VoltageAmplifier324 "1K" 0603R 8727.09,1205.18 r0 top (schematic designator R26)
R26_U_VoltageAmplifier331 "1K" 0603R 2728.26,1258.59 r0 bottom (schematic designator R26)
R26_U_VoltageAmplifier332 "1K" 0603R 4727.09,1262.18 r0 bottom (schematic designator R26)
R26_U_VoltageAmplifier333 "1K" 0603R 6727.09,1262.18 r0 bottom (schematic designator R26)
R26_U_VoltageAmplifier334 "1K" 0603R 8727.09,1262.18 r0 bottom (schematic designator R26)
R26_U_VoltageAmplifier341 "1K" 0603R 2727.09,855.18 r0 top (schematic designator R26)
R26_U_VoltageAmplifier342 "1K" 0603R 4727.09,855.18 r0 top (schematic designator R26)
R26_U_VoltageAmplifier343 "1K" 0603R 6727.09,855.18 r0 top (schematic designator R26)
R26_U_VoltageAmplifier344 "1K" 0603R 8727.09,855.18 r0 top (schematic designator R26)
R26_U_VoltageAmplifier351 "1K" 0603R 2727.09,912.18 r0 bottom (schematic designator R26)
R26_U_VoltageAmplifier352 "1K" 0603R 4727.09,912.18 r0 bottom (schematic designator R26)
R26_U_VoltageAmplifier353 "1K" 0603R 6727.09,912.18 r0 bottom (schematic designator R26)
R26_U_VoltageAmplifier354 "1K" 0603R 8727.09,912.18 r0 bottom (schematic designator R26)
R26_U_VoltageAmplifier361 "1K" 0603R 2727.09,505.18 r0 top (schematic designator R26)
R26_U_VoltageAmplifier362 "1K" 0603R 4727.09,505.18 r0 top (schematic designator R26)
R26_U_VoltageAmplifier363 "1K" 0603R 6727.09,495.18 r0 top (schematic designator R26)
R26_U_VoltageAmplifier364 "1K" 0603R 8727.09,505.18 r0 top (schematic designator R26)
R26_U_VoltageAmplifier371 "1K" 0603R 2727.09,562.18 r0 bottom (schematic designator R26)
R26_U_VoltageAmplifier372 "1K" 0603R 4727.09,562.18 r0 bottom (schematic designator R26)
R26_U_VoltageAmplifier373 "1K" 0603R 6727.09,552.18 r0 bottom (schematic designator R26)
R26_U_VoltageAmplifier374 "1K" 0603R 8727.09,562.18 r0 bottom (schematic designator R26)
R26_U_VoltageAmplifier381 "1K" 0603R 2991.67,831.42 r90 top (schematic designator R26)
R26_U_VoltageAmplifier382 "1K" 0603R 4991.67,811.42 r90 top (schematic designator R26)
R26_U_VoltageAmplifier383 "1K" 0603R 6991.67,811.42 r90 top (schematic designator R26)
R26_U_VoltageAmplifier384 "1K" 0603R 8991.67,811.42 r90 top (schematic designator R26)
R27_U_VoltageAmplifier11 "160R" 0603R 1240.09,3069.18 r0 top (schematic designator R27)
R27_U_VoltageAmplifier12 "160R" 0603R 3240.09,3069.18 r0 top (schematic designator R27)
R27_U_VoltageAmplifier13 "160R" 0603R 5240.09,3069.18 r0 top (schematic designator R27)
R27_U_VoltageAmplifier14 "160R" 0603R 7240.09,3069.18 r0 top (schematic designator R27)
R27_U_VoltageAmplifier21 "160R" 0603R 1240.09,3179.18 r0 bottom (schematic designator R27)
R27_U_VoltageAmplifier22 "160R" 0603R 3240.09,3179.18 r0 bottom (schematic designator R27)
R27_U_VoltageAmplifier23 "160R" 0603R 5240.09,3179.18 r0 bottom (schematic designator R27)
R27_U_VoltageAmplifier24 "160R" 0603R 7240.09,3179.18 r0 bottom (schematic designator R27)
R27_U_VoltageAmplifier31 "160R" 0603R 1240.09,3419.18 r0 top (schematic designator R27)
R27_U_VoltageAmplifier32 "160R" 0603R 3240.09,3419.18 r0 top (schematic designator R27)
R27_U_VoltageAmplifier33 "160R" 0603R 5240.09,3419.18 r0 top (schematic designator R27)
R27_U_VoltageAmplifier34 "160R" 0603R 7240.09,3419.18 r0 top (schematic designator R27)
R27_U_VoltageAmplifier41 "160R" 0603R 1240.09,3529.18 r0 bottom (schematic designator R27)
R27_U_VoltageAmplifier42 "160R" 0603R 3240.09,3529.18 r0 bottom (schematic designator R27)
R27_U_VoltageAmplifier43 "160R" 0603R 5240.09,3529.18 r0 bottom (schematic designator R27)
R27_U_VoltageAmplifier44 "160R" 0603R 7240.09,3529.18 r0 bottom (schematic designator R27)
R27_U_VoltageAmplifier51 "160R" 0603R 1240.09,3769.18 r0 top (schematic designator R27)
R27_U_VoltageAmplifier52 "160R" 0603R 3240.09,3769.18 r0 top (schematic designator R27)
R27_U_VoltageAmplifier53 "160R" 0603R 5240.09,3769.18 r0 top (schematic designator R27)
R27_U_VoltageAmplifier54 "160R" 0603R 7240.09,3769.18 r0 top (schematic designator R27)
R27_U_VoltageAmplifier61 "160R" 0603R 1240.09,3879.18 r0 bottom (schematic designator R27)
R27_U_VoltageAmplifier62 "160R" 0603R 3240.09,3879.18 r0 bottom (schematic designator R27)
R27_U_VoltageAmplifier63 "160R" 0603R 5240.09,3879.18 r0 bottom (schematic designator R27)
R27_U_VoltageAmplifier64 "160R" 0603R 7240.09,3879.18 r0 bottom (schematic designator R27)
R27_U_VoltageAmplifier71 "160R" 0603R 1840.09,3069.18 r0 top (schematic designator R27)
R27_U_VoltageAmplifier72 "160R" 0603R 3840.09,3069.18 r0 top (schematic designator R27)
R27_U_VoltageAmplifier73 "160R" 0603R 5840.09,3069.18 r0 top (schematic designator R27)
R27_U_VoltageAmplifier74 "160R" 0603R 7840.09,3069.18 r0 top (schematic designator R27)
R27_U_VoltageAmplifier81 "160R" 0603R 1840.09,3179.18 r0 bottom (schematic designator R27)
R27_U_VoltageAmplifier82 "160R" 0603R 3840.09,3179.18 r0 bottom (schematic designator R27)
R27_U_VoltageAmplifier83 "160R" 0603R 5840.09,3179.18 r0 bottom (schematic designator R27)
R27_U_VoltageAmplifier84 "160R" 0603R 7840.09,3179.18 r0 bottom (schematic designator R27)
R27_U_VoltageAmplifier91 "160R" 0603R 1840.09,3419.18 r0 top (schematic designator R27)
R27_U_VoltageAmplifier92 "160R" 0603R 3840.09,3419.18 r0 top (schematic designator R27)
R27_U_VoltageAmplifier93 "160R" 0603R 5840.09,3419.18 r0 top (schematic designator R27)
R27_U_VoltageAmplifier94 "160R" 0603R 7840.09,3419.18 r0 top (schematic designator R27)
R27_U_VoltageAmplifier101 "160R" 0603R 1840.09,3529.18 r0 bottom (schematic designator R27)
R27_U_VoltageAmplifier102 "160R" 0603R 3840.09,3529.18 r0 bottom (schematic designator R27)
R27_U_VoltageAmplifier103 "160R" 0603R 5840.09,3529.18 r0 bottom (schematic designator R27)
R27_U_VoltageAmplifier104 "160R" 0603R 7840.09,3529.18 r0 bottom (schematic designator R27)
R27_U_VoltageAmplifier111 "160R" 0603R 1840.09,3769.18 r0 top (schematic designator R27)
R27_U_VoltageAmplifier112 "160R" 0603R 3840.09,3769.18 r0 top (schematic designator R27)
R27_U_VoltageAmplifier113 "160R" 0603R 5840.09,3769.18 r0 top (schematic designator R27)
R27_U_VoltageAmplifier114 "160R" 0603R 7840.09,3769.18 r0 top (schematic designator R27)
R27_U_VoltageAmplifier121 "160R" 0603R 1840.09,3879.18 r0 bottom (schematic designator R27)
R27_U_VoltageAmplifier122 "160R" 0603R 3840.09,3879.18 r0 bottom (schematic designator R27)
R27_U_VoltageAmplifier123 "160R" 0603R 5840.09,3879.18 r0 bottom (schematic designator R27)
R27_U_VoltageAmplifier124 "160R" 0603R 7840.09,3879.18 r0 bottom (schematic designator R27)
R27_U_VoltageAmplifier131 "160R" 0603R 2440.09,3069.18 r0 top (schematic designator R27)
R27_U_VoltageAmplifier132 "160R" 0603R 4440.09,3069.18 r0 top (schematic designator R27)
R27_U_VoltageAmplifier133 "160R" 0603R 6440.09,3069.18 r0 top (schematic designator R27)
R27_U_VoltageAmplifier134 "160R" 0603R 8440.09,3069.18 r0 top (schematic designator R27)
R27_U_VoltageAmplifier141 "160R" 0603R 2440.09,3179.18 r0 bottom (schematic designator R27)
R27_U_VoltageAmplifier142 "160R" 0603R 4440.09,3179.18 r0 bottom (schematic designator R27)
R27_U_VoltageAmplifier143 "160R" 0603R 6440.09,3179.18 r0 bottom (schematic designator R27)
R27_U_VoltageAmplifier144 "160R" 0603R 8440.09,3179.18 r0 bottom (schematic designator R27)
R27_U_VoltageAmplifier151 "160R" 0603R 2440.09,3419.18 r0 top (schematic designator R27)
R27_U_VoltageAmplifier152 "160R" 0603R 4440.09,3419.18 r0 top (schematic designator R27)
R27_U_VoltageAmplifier153 "160R" 0603R 6440.09,3419.18 r0 top (schematic designator R27)
R27_U_VoltageAmplifier154 "160R" 0603R 8440.09,3419.18 r0 top (schematic designator R27)
R27_U_VoltageAmplifier161 "160R" 0603R 2440.09,3529.18 r0 bottom (schematic designator R27)
R27_U_VoltageAmplifier162 "160R" 0603R 4440.09,3529.18 r0 bottom (schematic designator R27)
R27_U_VoltageAmplifier163 "160R" 0603R 6440.09,3529.18 r0 bottom (schematic designator R27)
R27_U_VoltageAmplifier164 "160R" 0603R 8440.09,3529.18 r0 bottom (schematic designator R27)
R27_U_VoltageAmplifier171 "160R" 0603R 2440.09,3769.18 r0 top (schematic designator R27)
R27_U_VoltageAmplifier172 "160R" 0603R 4440.09,3769.18 r0 top (schematic designator R27)
R27_U_VoltageAmplifier173 "160R" 0603R 6440.09,3769.18 r0 top (schematic designator R27)
R27_U_VoltageAmplifier174 "160R" 0603R 8440.09,3769.18 r0 top (schematic designator R27)
R27_U_VoltageAmplifier181 "160R" 0603R 2440.09,3879.18 r0 bottom (schematic designator R27)
R27_U_VoltageAmplifier182 "160R" 0603R 4440.09,3879.18 r0 bottom (schematic designator R27)
R27_U_VoltageAmplifier183 "160R" 0603R 6440.09,3879.18 r0 bottom (schematic designator R27)
R27_U_VoltageAmplifier184 "160R" 0603R 8440.09,3879.18 r0 bottom (schematic designator R27)
R27_U_VoltageAmplifier191 "160R" 0603R 2914.85,3826.76 r270 top (schematic designator R27)
R27_U_VoltageAmplifier192 "160R" 0603R 4914.85,3826.76 r270 top (schematic designator R27)
R27_U_VoltageAmplifier193 "160R" 0603R 6914.85,3826.76 r270 top (schematic designator R27)
R27_U_VoltageAmplifier194 "160R" 0603R 8914.85,3826.76 r270 top (schematic designator R27)
R27_U_VoltageAmplifier201 "160R" 0603R 1240.09,1169.18 r0 top (schematic designator R27)
R27_U_VoltageAmplifier202 "160R" 0603R 3240.09,1169.18 r0 top (schematic designator R27)
R27_U_VoltageAmplifier203 "160R" 0603R 5240.09,1169.18 r0 top (schematic designator R27)
R27_U_VoltageAmplifier204 "160R" 0603R 7240.09,1169.18 r0 top (schematic designator R27)
R27_U_VoltageAmplifier211 "160R" 0603R 1240.09,1279.18 r0 bottom (schematic designator R27)
R27_U_VoltageAmplifier212 "160R" 0603R 3240.09,1279.18 r0 bottom (schematic designator R27)
R27_U_VoltageAmplifier213 "160R" 0603R 5240.09,1279.18 r0 bottom (schematic designator R27)
R27_U_VoltageAmplifier214 "160R" 0603R 7240.09,1279.18 r0 bottom (schematic designator R27)
R27_U_VoltageAmplifier221 "160R" 0603R 1240.09,819.18 r0 top (schematic designator R27)
R27_U_VoltageAmplifier222 "160R" 0603R 3240.09,819.18 r0 top (schematic designator R27)
R27_U_VoltageAmplifier223 "160R" 0603R 5240.09,819.18 r0 top (schematic designator R27)
R27_U_VoltageAmplifier224 "160R" 0603R 7240.09,819.18 r0 top (schematic designator R27)
R27_U_VoltageAmplifier231 "160R" 0603R 1240.09,929.18 r0 bottom (schematic designator R27)
R27_U_VoltageAmplifier232 "160R" 0603R 3240.09,929.18 r0 bottom (schematic designator R27)
R27_U_VoltageAmplifier233 "160R" 0603R 5240.09,929.18 r0 bottom (schematic designator R27)
R27_U_VoltageAmplifier234 "160R" 0603R 7240.09,929.18 r0 bottom (schematic designator R27)
R27_U_VoltageAmplifier241 "160R" 0603R 1240.09,469.18 r0 top (schematic designator R27)
R27_U_VoltageAmplifier242 "160R" 0603R 3240.09,469.18 r0 top (schematic designator R27)
R27_U_VoltageAmplifier243 "160R" 0603R 5240.09,469.18 r0 top (schematic designator R27)
R27_U_VoltageAmplifier244 "160R" 0603R 7240.09,469.18 r0 top (schematic designator R27)
R27_U_VoltageAmplifier251 "160R" 0603R 1240.09,579.18 r0 bottom (schematic designator R27)
R27_U_VoltageAmplifier252 "160R" 0603R 3240.09,579.18 r0 bottom (schematic designator R27)
R27_U_VoltageAmplifier253 "160R" 0603R 5240.09,579.18 r0 bottom (schematic designator R27)
R27_U_VoltageAmplifier254 "160R" 0603R 7240.09,579.18 r0 bottom (schematic designator R27)
R27_U_VoltageAmplifier261 "160R" 0603R 1840.09,1169.18 r0 top (schematic designator R27)
R27_U_VoltageAmplifier262 "160R" 0603R 3840.09,1169.18 r0 top (schematic designator R27)
R27_U_VoltageAmplifier263 "160R" 0603R 5840.09,1169.18 r0 top (schematic designator R27)
R27_U_VoltageAmplifier264 "160R" 0603R 7840.09,1169.18 r0 top (schematic designator R27)
R27_U_VoltageAmplifier271 "160R" 0603R 1840.09,1279.18 r0 bottom (schematic designator R27)
R27_U_VoltageAmplifier272 "160R" 0603R 3840.09,1279.18 r0 bottom (schematic designator R27)
R27_U_VoltageAmplifier273 "160R" 0603R 5840.09,1279.18 r0 bottom (schematic designator R27)
R27_U_VoltageAmplifier274 "160R" 0603R 7840.09,1279.18 r0 bottom (schematic designator R27)
R27_U_VoltageAmplifier281 "160R" 0603R 1840.09,819.18 r0 top (schematic designator R27)
R27_U_VoltageAmplifier282 "160R" 0603R 3840.09,819.18 r0 top (schematic designator R27)
R27_U_VoltageAmplifier283 "160R" 0603R 5840.09,819.18 r0 top (schematic designator R27)
R27_U_VoltageAmplifier284 "160R" 0603R 7840.09,819.18 r0 top (schematic designator R27)
R27_U_VoltageAmplifier291 "160R" 0603R 1840.09,929.18 r0 bottom (schematic designator R27)
R27_U_VoltageAmplifier292 "160R" 0603R 3840.09,929.18 r0 bottom (schematic designator R27)
R27_U_VoltageAmplifier293 "160R" 0603R 5840.09,929.18 r0 bottom (schematic designator R27)
R27_U_VoltageAmplifier294 "160R" 0603R 7840.09,929.18 r0 bottom (schematic designator R27)
R27_U_VoltageAmplifier301 "160R" 0603R 1840.09,469.18 r0 top (schematic designator R27)
R27_U_VoltageAmplifier302 "160R" 0603R 3840.09,469.18 r0 top (schematic designator R27)
R27_U_VoltageAmplifier303 "160R" 0603R 5840.09,469.18 r0 top (schematic designator R27)
R27_U_VoltageAmplifier304 "160R" 0603R 7840.09,469.18 r0 top (schematic designator R27)
R27_U_VoltageAmplifier311 "160R" 0603R 1840.09,579.18 r0 bottom (schematic designator R27)
R27_U_VoltageAmplifier312 "160R" 0603R 3840.09,579.18 r0 bottom (schematic designator R27)
R27_U_VoltageAmplifier313 "160R" 0603R 5840.09,579.18 r0 bottom (schematic designator R27)
R27_U_VoltageAmplifier314 "160R" 0603R 7840.09,579.18 r0 bottom (schematic designator R27)
R27_U_VoltageAmplifier321 "160R" 0603R 2441.26,1165.59 r0 top (schematic designator R27)
R27_U_VoltageAmplifier322 "160R" 0603R 4440.09,1169.18 r0 top (schematic designator R27)
R27_U_VoltageAmplifier323 "160R" 0603R 6440.09,1169.18 r0 top (schematic designator R27)
R27_U_VoltageAmplifier324 "160R" 0603R 8440.09,1169.18 r0 top (schematic designator R27)
R27_U_VoltageAmplifier331 "160R" 0603R 2441.26,1275.59 r0 bottom (schematic designator R27)
R27_U_VoltageAmplifier332 "160R" 0603R 4440.09,1279.18 r0 bottom (schematic designator R27)
R27_U_VoltageAmplifier333 "160R" 0603R 6440.09,1279.18 r0 bottom (schematic designator R27)
R27_U_VoltageAmplifier334 "160R" 0603R 8440.09,1279.18 r0 bottom (schematic designator R27)
R27_U_VoltageAmplifier341 "160R" 0603R 2440.09,819.18 r0 top (schematic designator R27)
R27_U_VoltageAmplifier342 "160R" 0603R 4440.09,819.18 r0 top (schematic designator R27)
R27_U_VoltageAmplifier343 "160R" 0603R 6440.09,819.18 r0 top (schematic designator R27)
R27_U_VoltageAmplifier344 "160R" 0603R 8440.09,819.18 r0 top (schematic designator R27)
R27_U_VoltageAmplifier351 "160R" 0603R 2440.09,929.18 r0 bottom (schematic designator R27)
R27_U_VoltageAmplifier352 "160R" 0603R 4440.09,929.18 r0 bottom (schematic designator R27)
R27_U_VoltageAmplifier353 "160R" 0603R 6440.09,929.18 r0 bottom (schematic designator R27)
R27_U_VoltageAmplifier354 "160R" 0603R 8440.09,929.18 r0 bottom (schematic designator R27)
R27_U_VoltageAmplifier361 "160R" 0603R 2440.09,469.18 r0 top (schematic designator R27)
R27_U_VoltageAmplifier362 "160R" 0603R 4440.09,469.18 r0 top (schematic designator R27)
R27_U_VoltageAmplifier363 "160R" 0603R 6440.09,459.18 r0 top (schematic designator R27)
R27_U_VoltageAmplifier364 "160R" 0603R 8440.09,469.18 r0 top (schematic designator R27)
R27_U_VoltageAmplifier371 "160R" 0603R 2440.09,579.18 r0 bottom (schematic designator R27)
R27_U_VoltageAmplifier372 "160R" 0603R 4440.09,579.18 r0 bottom (schematic designator R27)
R27_U_VoltageAmplifier373 "160R" 0603R 6440.09,569.18 r0 bottom (schematic designator R27)
R27_U_VoltageAmplifier374 "160R" 0603R 8440.09,579.18 r0 bottom (schematic designator R27)
R27_U_VoltageAmplifier381 "160R" 0603R 3027.67,544.42 r90 top (schematic designator R27)
R27_U_VoltageAmplifier382 "160R" 0603R 5027.67,524.42 r90 top (schematic designator R27)
R27_U_VoltageAmplifier383 "160R" 0603R 7027.67,524.42 r90 top (schematic designator R27)
R27_U_VoltageAmplifier384 "160R" 0603R 9027.67,524.42 r90 top (schematic designator R27)
R28_U_VoltageAmplifier11 "1K" 0603R 1527.09,3162.18 r0 top (schematic designator R28)
R28_U_VoltageAmplifier12 "1K" 0603R 3527.09,3162.18 r0 top (schematic designator R28)
R28_U_VoltageAmplifier13 "1K" 0603R 5527.09,3162.18 r0 top (schematic designator R28)
R28_U_VoltageAmplifier14 "1K" 0603R 7527.09,3162.18 r0 top (schematic designator R28)
R28_U_VoltageAmplifier21 "1K" 0603R 1527.09,3105.18 r0 bottom (schematic designator R28)
R28_U_VoltageAmplifier22 "1K" 0603R 3527.09,3105.18 r0 bottom (schematic designator R28)
R28_U_VoltageAmplifier23 "1K" 0603R 5527.09,3105.18 r0 bottom (schematic designator R28)
R28_U_VoltageAmplifier24 "1K" 0603R 7527.09,3105.18 r0 bottom (schematic designator R28)
R28_U_VoltageAmplifier31 "1K" 0603R 1527.09,3512.18 r0 top (schematic designator R28)
R28_U_VoltageAmplifier32 "1K" 0603R 3527.09,3512.18 r0 top (schematic designator R28)
R28_U_VoltageAmplifier33 "1K" 0603R 5527.09,3512.18 r0 top (schematic designator R28)
R28_U_VoltageAmplifier34 "1K" 0603R 7527.09,3512.18 r0 top (schematic designator R28)
R28_U_VoltageAmplifier41 "1K" 0603R 1527.09,3455.18 r0 bottom (schematic designator R28)
R28_U_VoltageAmplifier42 "1K" 0603R 3527.09,3455.18 r0 bottom (schematic designator R28)
R28_U_VoltageAmplifier43 "1K" 0603R 5527.09,3455.18 r0 bottom (schematic designator R28)
R28_U_VoltageAmplifier44 "1K" 0603R 7527.09,3455.18 r0 bottom (schematic designator R28)
R28_U_VoltageAmplifier51 "1K" 0603R 1527.09,3862.18 r0 top (schematic designator R28)
R28_U_VoltageAmplifier52 "1K" 0603R 3527.09,3862.18 r0 top (schematic designator R28)
R28_U_VoltageAmplifier53 "1K" 0603R 5527.09,3862.18 r0 top (schematic designator R28)
R28_U_VoltageAmplifier54 "1K" 0603R 7527.09,3862.18 r0 top (schematic designator R28)
R28_U_VoltageAmplifier61 "1K" 0603R 1527.09,3805.18 r0 bottom (schematic designator R28)
R28_U_VoltageAmplifier62 "1K" 0603R 3527.09,3805.18 r0 bottom (schematic designator R28)
R28_U_VoltageAmplifier63 "1K" 0603R 5527.09,3805.18 r0 bottom (schematic designator R28)
R28_U_VoltageAmplifier64 "1K" 0603R 7527.09,3805.18 r0 bottom (schematic designator R28)
R28_U_VoltageAmplifier71 "1K" 0603R 2127.09,3162.18 r0 top (schematic designator R28)
R28_U_VoltageAmplifier72 "1K" 0603R 4127.09,3162.18 r0 top (schematic designator R28)
R28_U_VoltageAmplifier73 "1K" 0603R 6127.09,3162.18 r0 top (schematic designator R28)
R28_U_VoltageAmplifier74 "1K" 0603R 8127.09,3162.18 r0 top (schematic designator R28)
R28_U_VoltageAmplifier81 "1K" 0603R 2127.09,3105.18 r0 bottom (schematic designator R28)
R28_U_VoltageAmplifier82 "1K" 0603R 4127.09,3105.18 r0 bottom (schematic designator R28)
R28_U_VoltageAmplifier83 "1K" 0603R 6127.09,3105.18 r0 bottom (schematic designator R28)
R28_U_VoltageAmplifier84 "1K" 0603R 8127.09,3105.18 r0 bottom (schematic designator R28)
R28_U_VoltageAmplifier91 "1K" 0603R 2127.09,3512.18 r0 top (schematic designator R28)
R28_U_VoltageAmplifier92 "1K" 0603R 4127.09,3512.18 r0 top (schematic designator R28)
R28_U_VoltageAmplifier93 "1K" 0603R 6127.09,3512.18 r0 top (schematic designator R28)
R28_U_VoltageAmplifier94 "1K" 0603R 8127.09,3512.18 r0 top (schematic designator R28)
R28_U_VoltageAmplifier101 "1K" 0603R 2127.09,3455.18 r0 bottom (schematic designator R28)
R28_U_VoltageAmplifier102 "1K" 0603R 4127.09,3455.18 r0 bottom (schematic designator R28)
R28_U_VoltageAmplifier103 "1K" 0603R 6127.09,3455.18 r0 bottom (schematic designator R28)
R28_U_VoltageAmplifier104 "1K" 0603R 8127.09,3455.18 r0 bottom (schematic designator R28)
R28_U_VoltageAmplifier111 "1K" 0603R 2127.09,3862.18 r0 top (schematic designator R28)
R28_U_VoltageAmplifier112 "1K" 0603R 4127.09,3862.18 r0 top (schematic designator R28)
R28_U_VoltageAmplifier113 "1K" 0603R 6127.09,3862.18 r0 top (schematic designator R28)
R28_U_VoltageAmplifier114 "1K" 0603R 8127.09,3862.18 r0 top (schematic designator R28)
R28_U_VoltageAmplifier121 "1K" 0603R 2127.09,3805.18 r0 bottom (schematic designator R28)
R28_U_VoltageAmplifier122 "1K" 0603R 4127.09,3805.18 r0 bottom (schematic designator R28)
R28_U_VoltageAmplifier123 "1K" 0603R 6127.09,3805.18 r0 bottom (schematic designator R28)
R28_U_VoltageAmplifier124 "1K" 0603R 8127.09,3805.18 r0 bottom (schematic designator R28)